# Altium PCB Acquisition-System_V1.0.PcbDoc (part 1 of 5) (continued)
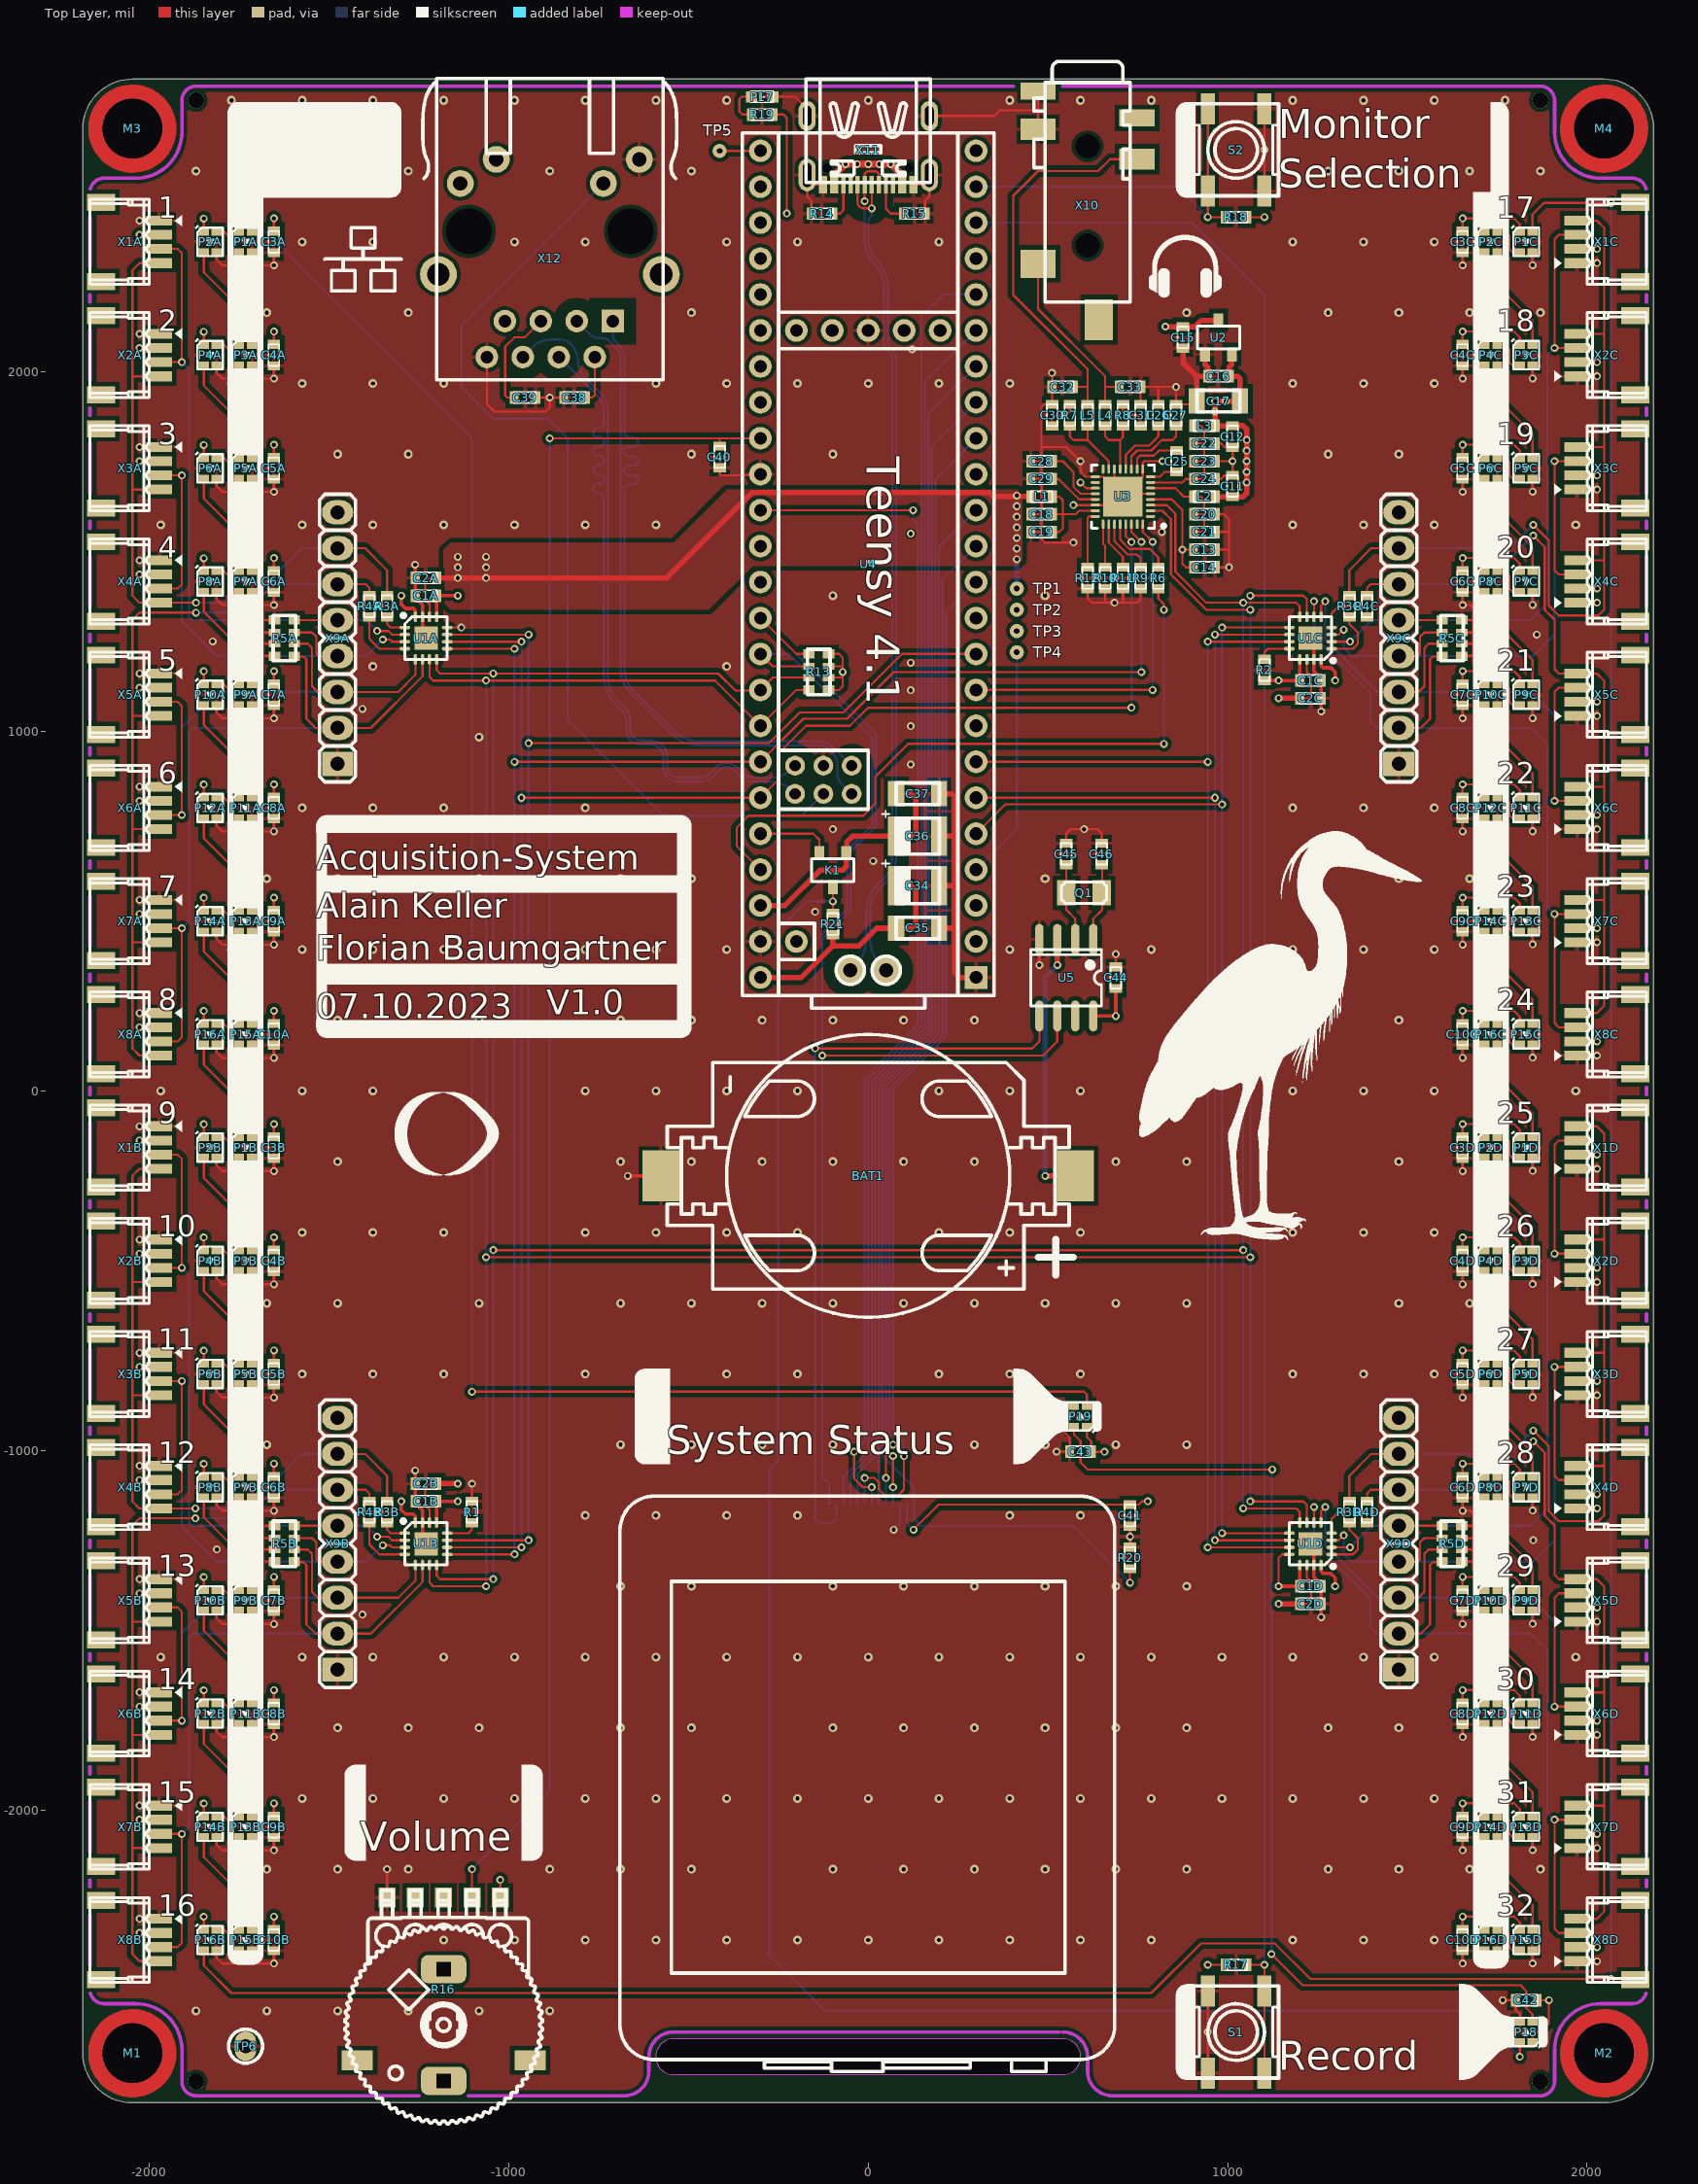
[diagram p0: Top Layer view]
## Components (designator, comment, footprint, x,y, rotation, side; value= is the part's Value field where it differs from the comment) (continued)
R7 "22" "SMD Widerstand 0603" 561.02,1879.92 r90 top
R8 "22" "SMD Widerstand 0603" 708.66,1879.92 r90 top
R9 "10k" "SMD Widerstand 0603" 757.87,1427.17 r90 top
R10 "10k" "SMD Widerstand 0603" 659.45,1427.17 r90 top
R11 "10k" "SMD Widerstand 0603" 708.66,1427.17 r90 top
R12 "10k" "SMD Widerstand 0603" 610.24,1427.17 r90 top
R13 "10k" "SMD Widerstand Array 4-Fach 0603"#1 -137.8,1165.75 r90 top
R14 "5.1k" "SMD Widerstand 0603" -127.95,2440.94 r180 top
R15 "5.1k" "SMD Widerstand 0603" 127.95,2440.94 r0 top
R16 "10k" "SMD Potentiometer (RK10J11R0A0H)" -1181.1,-2598.43 r180 top locked
R17 "10k" "SMD Widerstand 0603" 1023.62,-2431.1 r180 top
R18 "10k" "SMD Widerstand 0603" 1023.62,2431.1 r0 top
R19 "270" "SMD Widerstand 0603" -295.28,2716.54 r180 top
R20 "10k" "SMD Widerstand 0603" 728.35,-1299.21 r270 top
R21 "10k" "SMD Widerstand 0603" -98.43,464.57 r270 top
S1 "SMD-Button" "SMD Button 6.5x6.0x2.5" 1023.62,-2618.11 r90 top
S2 "SMD-Button" "SMD Button 6.5x6.0x2.5" 1023.62,2618.11 r270 top
TP1 "X-TP" "THT Testpunkt Ø1mm" 413.39,1397.64 r0 top
TP2 "X-TP" "THT Testpunkt Ø1mm" 413.39,1338.58 r90 top
TP3 "X-TP" "THT Testpunkt Ø1mm" 413.39,1279.53 r0 top
TP4 "X-TP" "THT Testpunkt Ø1mm" 413.39,1220.47 r90 top
TP5 "X-TP" "THT Testpunkt Ø1mm" -413.39,2615.16 r90 top
TP6 "Schwarz" "THT Messpunkt Ø2.54mm Schwarz" -1732.28,-2657.48 r90 top
U1A "ADAU7118" "SMD IC QFN-16" -1230.31,1259.84 r0 top (schematic designator U1)
U1B "ADAU7118" "SMD IC QFN-16" -1230.31,-1259.84 r0 top (schematic designator U1)
U1C "ADAU7118" "SMD IC QFN-16" 1230.32,1259.84 r180 top (schematic designator U1)
U1D "ADAU7118" "SMD IC QFN-16" 1230.32,-1259.84 r180 top (schematic designator U1)
U2 "MCP1700T-1802" "SMD IC SOT-23-3" 974.41,2096.46 r90 top
U3 "WM8904" "SMD IC QFN-32 (0.4mm)" 708.66,1653.54 r180 top
U4 "Teensy 4.1" "THT TEENSY 4.1" 0,265.75 r180 top locked
U5 "PCF8523T" "SMD IC SOIC-8" 551.18,314.96 r0 top
X1A "1.0-4PWB" "SMD Connector (SM04B-SRSS-TB)" -2165.35,2362.2 r270 top (schematic designator X1)
X1B "1.0-4PWB" "SMD Connector (SM04B-SRSS-TB)" -2165.35,-157.48 r270 top (schematic designator X1)
X1C "1.0-4PWB" "SMD Connector (SM04B-SRSS-TB)" 2165.35,2362.2 r90 top (schematic designator X1)
X1D "1.0-4PWB" "SMD Connector (SM04B-SRSS-TB)" 2165.35,-157.48 r90 top (schematic designator X1)
X2A "1.0-4PWB" "SMD Connector (SM04B-SRSS-TB)" -2165.35,2047.24 r270 top (schematic designator X2)
X2B "1.0-4PWB" "SMD Connector (SM04B-SRSS-TB)" -2165.35,-472.44 r270 top (schematic designator X2)
X2C "1.0-4PWB" "SMD Connector (SM04B-SRSS-TB)" 2165.35,2047.24 r90 top (schematic designator X2)
X2D "1.0-4PWB" "SMD Connector (SM04B-SRSS-TB)" 2165.35,-472.44 r90 top (schematic designator X2)
X3A "1.0-4PWB" "SMD Connector (SM04B-SRSS-TB)" -2165.35,1732.28 r270 top (schematic designator X3)
X3B "1.0-4PWB" "SMD Connector (SM04B-SRSS-TB)" -2165.35,-787.4 r270 top (schematic designator X3)
X3C "1.0-4PWB" "SMD Connector (SM04B-SRSS-TB)" 2165.35,1732.28 r90 top (schematic designator X3)
X3D "1.0-4PWB" "SMD Connector (SM04B-SRSS-TB)" 2165.35,-787.4 r90 top (schematic designator X3)
X4A "1.0-4PWB" "SMD Connector (SM04B-SRSS-TB)" -2165.35,1417.32 r270 top (schematic designator X4)
X4B "1.0-4PWB" "SMD Connector (SM04B-SRSS-TB)" -2165.35,-1102.36 r270 top (schematic designator X4)
X4C "1.0-4PWB" "SMD Connector (SM04B-SRSS-TB)" 2165.35,1417.32 r90 top (schematic designator X4)
X4D "1.0-4PWB" "SMD Connector (SM04B-SRSS-TB)" 2165.35,-1102.36 r90 top (schematic designator X4)
X5A "1.0-4PWB" "SMD Connector (SM04B-SRSS-TB)" -2165.35,1102.36 r270 top (schematic designator X5)
X5B "1.0-4PWB" "SMD Connector (SM04B-SRSS-TB)" -2165.35,-1417.32 r270 top (schematic designator X5)
X5C "1.0-4PWB" "SMD Connector (SM04B-SRSS-TB)" 2165.35,1102.36 r90 top (schematic designator X5)
X5D "1.0-4PWB" "SMD Connector (SM04B-SRSS-TB)" 2165.35,-1417.32 r90 top (schematic designator X5)
X6A "1.0-4PWB" "SMD Connector (SM04B-SRSS-TB)" -2165.35,787.4 r270 top (schematic designator X6)
X6B "1.0-4PWB" "SMD Connector (SM04B-SRSS-TB)" -2165.35,-1732.28 r270 top (schematic designator X6)
X6C "1.0-4PWB" "SMD Connector (SM04B-SRSS-TB)" 2165.35,787.4 r90 top (schematic designator X6)
X6D "1.0-4PWB" "SMD Connector (SM04B-SRSS-TB)" 2165.35,-1732.28 r90 top (schematic designator X6)
X7A "1.0-4PWB" "SMD Connector (SM04B-SRSS-TB)" -2165.35,472.44 r270 top (schematic designator X7)
X7B "1.0-4PWB" "SMD Connector (SM04B-SRSS-TB)" -2165.35,-2047.24 r270 top (schematic designator X7)
X7C "1.0-4PWB" "SMD Connector (SM04B-SRSS-TB)" 2165.35,472.44 r90 top (schematic designator X7)
X7D "1.0-4PWB" "SMD Connector (SM04B-SRSS-TB)" 2165.35,-2047.24 r90 top (schematic designator X7)
X8A "1.0-4PWB" "SMD Connector (SM04B-SRSS-TB)" -2165.35,157.48 r270 top (schematic designator X8)
X8B "1.0-4PWB" "SMD Connector (SM04B-SRSS-TB)" -2165.35,-2362.2 r270 top (schematic designator X8)
X8C "1.0-4PWB" "SMD Connector (SM04B-SRSS-TB)" 2165.35,157.48 r90 top (schematic designator X8)
X8D "1.0-4PWB" "SMD Connector (SM04B-SRSS-TB)" 2165.35,-2362.2 r90 top (schematic designator X8)
X9A "NP" "THT Pin-Header 1x8 (NP)" -1476.38,1259.84 r90 top (schematic designator X9)
X9B "NP" "THT Pin-Header 1x8 (NP)" -1476.38,-1259.84 r90 top (schematic designator X9)
X9C "NP" "THT Pin-Header 1x8 (NP)" 1476.38,1259.84 r90 top (schematic designator X9)
X9D "NP" "THT Pin-Header 1x8 (NP)" 1476.38,-1259.84 r90 top (schematic designator X9)
X10 "PJ-328B0-SMT" "SMD 3.5mm Jack (PJ-328B0-SMT)" 610.24,2805.12 r270 top locked
X11 "USB 2.0 Typ-C" "SMD USB-C Socket (A40-00119)" 0,2814.96 r180 top locked
X12 "J1B1211CCD" "THT RJ45 Socket (J1B1211CCD)" -885.83,2391.73 r180 top locked
X13 "FFC2B35-14-T" "SMD Display 1.54\" (STP0154F-240240)" 0,-1909.45 r0 top locked

## Footprints (in the part's own frame and the unit in brackets; to place one, negate y for a bottom-side part, rotate by r counter-clockwise, add the part's x,y. Pads: shape width x height; smd on the part's side, far side on the other; paste and mask are expansions set on the pad)
"SMD 3.5mm Jack (PJ-328B0-SMT)" [mm]
  rect 1.5x2.5 smd: 1(3.3,-3.5) 5(5.4,3.5)
  rect 2x2.5 smd: 2(12.8,-3.5)
  rect 2.9x2 smd: 3(16.75,0.8)
  rect 1.2x2.5 smd: 4(2.5,3.5) 6(0.6,-3.5)
  round 0 hole 1.7 unplated: NC(4.5,0) NC(11.5,0)
  silkscreen extent -1.5,-3.8 15.5,3, body extent -1.5,-4.5 18,4.5, height 5.08
"SMD Battery-Holder (1060TR)" [mm]
  rect 2.6x3.6 smd: 1(14.65,0) 2(-14.65,0)
  silkscreen extent -14.2,-10 14.5,10, body extent -15.91,-10 15.91,10, height 5.72
"SMD Button 6.5x6.0x2.5" [mm]
  rect 2.2x1 smd: 1(-2.9,-2) 1(2.9,-2) 2(-2.9,2) 2(2.9,2)
  silkscreen extent -3.25,-3 3.25,3, body extent -3.3,-3 3.3,3, height 2.5
"SMD Connector (SM04B-SRSS-TB)" [mm] "SMD_LED_RED"
  rect 0.7x1.8 smd: 1(-1.5,4.9) 2(-0.5,4.9) 3(0.5,4.9) 4(1.5,4.9)
  rect 1.2x2 smd: NC(-2.8,0.8) NC(2.8,0.8)
  silkscreen extent -3,0 3,6.5, body extent -3,0 3,4.95, height 2.96
"SMD Crystal 3.2x1.5x0.9" [mm] "SMD_LED_RED"
  rect 1.3x1.8 smd: 1(-1.25,0) 2(1.25,0)
  silkscreen extent -1.6,-0.75 1.6,0.75, body extent -1.61,-0.76 1.61,0.76, height 0.91
"SMD Display 1.54\" (STP0154F-240240)" [mm]
  rect 0.3x1.3 smd far side: 1(-3.25,19.3) 2(-2.75,19.3) 3(-2.25,19.3) 4(-1.75,19.3) 5(-1.25,19.3) 6(-0.75,19.3) 7(-0.25,19.3) 8(0.25,19.3) 9(0.75,19.3) 10(1.25,19.3) 11(1.75,19.3) 12(2.25,19.3) 13(2.75,19.3) 14(3.25,19.3)
  rect 1.8x2.2 smd far side: NC(-5.15,16.05) NC(5.15,16.05)
  Keep-Out Layer board cut-out: -13.75,-18.5 -14.237,-18.58 -14.651,-18.849 -14.92,-19.263 -15,-19.75 -15,-19.75 -14.913,-20.233 -14.643,-20.643 -14.233,-20.913 -13.75,-21 -13.75,-21 13.75,-21 14.236,-20.918 14.648,-20.648 14.918,-20.236 15,-19.75 15,-19.75 14.921,-19.262 14.651,-18.849 14.238,-18.579 13.75,-18.5 13.75,-18.5
  silkscreen extent -17.54,-20.8 17.42,19.87, body extent -17.54,-20.79 17.42,19.87, height 3.22
"SMD Ferrite Bead 0603" [mil]
  rect 25x35 smd: 1(-30,0) 2(30,0)
  silkscreen extent -30,-15 30,15, body extent -31,-16 31,16, height 33
"SMD IC QFN-16" [mm] "QFN, 48-Leads, Body 7x7mm, Pitch 0.5mm, IPC Medium Density"
  oval 0.75x0.25 smd: 1(-1.5,0.75) 2(-1.5,0.25) 3(-1.5,-0.25) 4(-1.5,-0.75) 9(1.5,-0.75) 10(1.5,-0.25) 11(1.5,0.25) 12(1.5,0.75)
  oval 0.25x0.75 smd: 5(-0.75,-1.5) 6(-0.25,-1.5) 7(0.25,-1.5) 8(0.75,-1.5) 13(0.75,1.5) 14(0.25,1.5) 15(-0.25,1.5) 16(-0.75,1.5)
  rect 1.65x1.65 smd: PAD(0,0)
  silkscreen extent -1.72,-1.5 1.5,1.72, body extent -1.52,-1.52 1.52,1.52, height 0.9
"SMD IC QFN-32 (0.4mm)" [mm] "QFN, 48-Leads, Body 7x7mm, Pitch 0.5mm, IPC Medium Density"
  oval 0.65x0.2 smd: 1(-1.95,1.4) 2(-1.95,1) 3(-1.95,0.6) 4(-1.95,0.2) 5(-1.95,-0.2) 6(-1.95,-0.6) 7(-1.95,-1) 8(-1.95,-1.4) 17(1.95,-1.4) 18(1.95,-1) 19(1.95,-0.6) 20(1.95,-0.2) 21(1.95,0.2) 22(1.95,0.6) 23(1.95,1) 24(1.95,1.4)
  oval 0.2x0.65 smd: 9(-1.4,-1.95) 10(-1,-1.95) 11(-0.6,-1.95) 12(-0.2,-1.95) 13(0.2,-1.95) 14(0.6,-1.95) 15(1,-1.95) 16(1.4,-1.95) 25(1.4,1.95) 26(1,1.95) 27(0.6,1.95) 28(0.2,1.95) 29(-0.2,1.95) 30(-0.6,1.95) 31(-1,1.95) 32(-1.4,1.95)
  rect 2.8x2.8 smd: PAD(0,0)
  silkscreen extent -3,-2.22 2.22,2.22, body extent -2.01,-2 2,2.01, height 0.98
"SMD IC SOIC-8" [mm]
  oval 0.6x2.2 smd: 1(1.905,2.7) 2(0.635,2.7) 3(-0.635,2.7) 4(-1.905,2.7) 5(-1.905,-2.7) 6(-0.635,-2.7) 7(0.635,-2.7) 8(1.905,-2.7)
  silkscreen extent -2.52,-2 2.48,2, body extent -2.52,-3.12 2.48,3.12, height 1.75
"SMD IC SOT-23-3" [mm]
  rect 1x0.7 smd: 1(-1.2,0.95) 2(-1.2,-0.95) 3(1.2,0)
  silkscreen extent -0.8,-1.5 0.8,1.5, body extent -1.3,-1.5 1.2,1.5, height 1.1
"SMD Keramikkondensator 0603" [mil]
  rect 25x35 smd: 1(-30,0) 2(30,0)
  silkscreen extent -30,-15 30,15, body extent -31,-16 32,16, height 32
"SMD Keramikkondensator 1206" [mil]
  rect 45x70 smd: 1(-60,0) 2(60,0)
  silkscreen extent -60,-30 60,30, body extent -63,-31 63,32, height 39
"SMD LED 0603" [mm] "SMD_LED_RED"
  rect 0.8x0.8 smd: A(-0.75,0) K(0.75,0)
  silkscreen extent -0.8,-0.4 0.8,0.4, body extent -0.81,-0.37 0.84,0.36, height 0.68
"SMD LED WS2812B-0807" [mm] "SMD_LED_RED"
  rect 0.6x0.7 smd: 1(0.75,0.45) 2(-0.75,0.45) 3(-0.75,-0.45) 4(0.75,-0.45)
  silkscreen extent -1,-0.9 1.1,1, body extent -1,-0.9 1,0.9, height 0.85
"SMD MOSFET SOT-23" [mm]
  rect 1x0.7 smd: D(1.2,0) G(-1.2,0.95) S(-1.2,-0.95)
  silkscreen extent -0.8,-1.5 0.8,1.5, body extent -1.3,-1.5 1.2,1.5, height 1.1
"SMD Potentiometer (RK10J11R0A0H)" [mm] "Capacitor, Electrolytic, Radial; Body 5 x 5 mm (Dia.xH typ); Pin Spacing 2 mm (typ)"
  rect 1.2x1.4 smd: CCW(-4,-9) CW(4,-9) M(-2,-9) NC(0,-9) NC(2,-9)
  rect 2.2x1.4 smd: NC(-6.1,2.5) NC(6.1,2.5)
  rrect50% 3.2x2 hole 1 square: NC(0,3.95) NC(0,-3.95)
  silkscreen extent -6.99,-9.5 6.99,6.99, body extent -7,-9.5 7,6.99, height 2.35
"SMD Solder-Nut (M3 3mm)" [mm]
  round 0 hole 4.22: 1(0,0)
  Top Layer circle w1.02: c0,0 r2.61
  body extent -2.61,-2.61 2.61,2.61, height 3
"SMD Tantalkondensator 1210 +" [mil]
  rect 45x110 smd: M(60,0) P(-60,0)
  silkscreen extent -99,-50 60,72, body extent -73,-58 73,58, height 80
"SMD USB-C Socket (A40-00119)" [mm]
  rect 0.6x1.25 smd: A1B12(-3.2,7.45) A4B9(-2.4,7.45) B1A12(3.2,7.45) B4A9(2.4,7.45)
  rect 0.3x1.25 smd: A5(-1.25,7.45) A6(-0.25,7.45) A7(0.25,7.45) A8(1.25,7.45) B5(1.75,7.45) B6(0.75,7.45) B7(-0.75,7.45) B8(-1.75,7.45)
  oval 1.2x2.1 hole 0.6 slot 1.4 at 90 deg: G1(-4.32,2.6) G3(4.32,2.6)
  oval 1.2x2.3 hole 0.6 slot 1.7 at 90 deg: G2(-4.32,6.78) G4(4.32,6.78)
  round 0 hole 0.65 unplated: NC(-2.89,6.28) NC(2.89,6.28)
  silkscreen extent -4.4,0 4.4,7.3, body extent -4.47,0 4.48,7.75, height 3.26
"SMD Widerstand 0603" [mil]
  rect 25x35 smd: 1(-30,0) 2(30,0)
  silkscreen extent -30,-15 30,15, body extent -31,-16 31,16, height 18
"SMD Widerstand Array 4-Fach 0603"#1 [mm]
  rect 0.65x0.8 smd: 1(-1.275,-0.7) 4(1.275,-0.7) 5(1.275,0.7) 8(-1.275,0.7)
  rect 0.5x0.8 smd: 2(-0.4,-0.7) 3(0.4,-0.7) 6(0.4,0.7) 7(-0.4,0.7)
  silkscreen extent -1.6,-0.8 1.6,0.8, body extent -1.6,-0.8 1.6,0.8, height 0.51
"SMD Widerstand Array 4-Fach 0603"#2 [mm]
  rect 0.65x0.8 smd: 1(-1.275,0.7) 4(1.275,0.7) 5(1.275,-0.7) 8(-1.275,-0.7)
  rect 0.5x0.8 smd: 2(-0.4,0.7) 3(0.4,0.7) 6(0.4,-0.7) 7(-0.4,-0.7)
  silkscreen extent -1.6,-0.8 1.6,0.8, body extent -1.6,-0.8 1.6,0.8, height 0.51
"THT Messpunkt Ø2.54mm Schwarz" [mm]
  oval 2.1x1.5 hole 1: 1(0,0)
  silkscreen extent -1.2,-1.2 1.2,1.2, body extent -1.27,-1.27 1.27,1.27, height 4.57
"THT Pin-Header 1x8 (NP)" [mm]
  rect 1.7x2.2 hole 1: 1(-8.89,0)
  oval 1.7x2.2 hole 1: 2(-6.35,0) 3(-3.81,0) 4(-1.27,0) 5(1.27,0) 6(3.81,0) 7(6.35,0) 8(8.89,0)
  silkscreen extent -10.16,-1.27 10.16,1.27
"THT RJ45 Socket (J1B1211CCD)" [mm]
  rect 1.6x1.6 hole 0.9: 1(-4.445,6.35)
  round 1.6 hole 0.9: 2(-3.175,8.89) 3(-1.905,6.35) 4(-0.635,8.89) 5(0.635,6.35) 6(1.905,8.89) 7(3.175,6.35) 8(4.445,8.89)
  round 1.9 hole 1.02: 9(-6.325,-5.08) 10(-3.785,-3.38) 11(3.785,-5.08) 12(6.325,-3.38)
  round 2.6 hole 1.6: NC(-7.875,3.05) NC(7.875,3.05)
  round 0 hole 3.25 unplated: NC(-5.715,0) NC(5.715,0)
  silkscreen extent -8.98,-10.8 8.98,10.5, body extent -9.01,-10.78 9.01,10.52, height 14.38
"THT TEENSY 4.1" [mm]
  rect 1.6x1.6 hole 0.9: 1(-7.62,-1.27)
  round 1.6 hole 0.9: 2(-7.62,-3.81) 3(-7.62,-6.35) 4(-7.62,-8.89) 5(-7.62,-11.43) 6(-7.62,-13.97) 7(-7.62,-16.51) 8(-7.62,-19.05) 9(-7.62,-21.59) 10(-7.62,-24.13) 11(-7.62,-26.67) 12(-7.62,-29.21) 13(-7.62,-31.75) 14(-7.62,-34.29) 15(-7.62,-36.83) 16(-7.62,-39.37) 17(-7.62,-41.91) 18(-7.62,-44.45) 19(-7.62,-46.99) 20(-7.62,-49.53) 21(-7.62,-52.07) 22(-7.62,-54.61) 23(-7.62,-57.15) 24(-7.62,-59.69) 25(7.62,-59.69) 26(7.62,-57.15) 27(7.62,-54.61) 28(7.62,-52.07) 29(7.62,-49.53) 30(7.62,-46.99) 31(7.62,-44.45) 32(7.62,-41.91) 33(7.62,-39.37) 34(7.62,-36.83) 35(7.62,-34.29) 36(7.62,-31.75) 37(7.62,-29.21) 38(7.62,-26.67) 39(7.62,-24.13) 40(7.62,-21.59) 41(7.62,-19.05) 42(7.62,-16.51) 43(7.62,-13.97) 44(7.62,-11.43) 45(7.62,-8.89) 46(7.62,-6.35) 47(7.62,-3.81) 48(7.62,-1.27) 49(5.08,-3.81) 50(-5.08,-46.99) 51(-2.54,-46.99) 52(0,-46.99) 53(2.54,-46.99) 54(5.08,-46.99)
  round 1.4 hole 0.8: 55(1.17,-16.24) 56(1.17,-14.24) 57(3.17,-16.24) 58(3.17,-14.24) 59(5.17,-16.24) 60(5.17,-14.24)
  round 2.1 hole 1: 61(-1.27,-1.78) 62(1.27,-1.78)
  silkscreen extent -8.9,-60.96 8.89,0.9, body extent -8.89,-64.75 8.89,0.93, height 14.97
"THT Testpunkt Ø1mm" [mm]
  round 1 hole 0.4: 1(0,0)

## Part data
BAT1: library part X-CR2032-Battery-Holder, "Battery Holder (CR2032)", JLC-Parts=C964756, Component Description="Battery Holder (CR2032)", Component Value=1060TR, ComponentLink1Description=Datasheet, ComponentLink1URL=https://datasheet.lcsc.com/lcsc/2012181808_MYOUNG-BS-06-B4AA002_C964756.pdf, Digikey=36-1060CT-ND, Farnell=2533470, Mouser=534-1060TR, Unit Price=0.25
C1A C1B C1C C1D C2A C2B C2C C2D C3A C3B C3C C3D C4A C4B C4C C4D C5A C5B C5C C5D C6A C6B C6C C6D C7A C7B C7C C7D C8A C8B C8C C8D C9A C9B C9C C9D C10A C10B C10C C10D C13 C15 C16 C19 C21 C23 C30 C31 C38 C39 C44: library part "E6 - 100nF", "SMD Ceramic Capacitor E6", Component Value="100nF 50V", JLC-Parts=C14663, Component Description="Multilayer Ceramic Capacitors MLCC", ComponentLink1Description=Datasheet, ComponentLink1URL=https://datasheet.lcsc.com/lcsc/1809301912_YAGEO-CC0603KRX7R9BB104_C14663.pdf, Digikey=445-6899-1-ND, Farnell=2210822, Mouser=810-CGA2B3X7R1H104K, Unit Price=0.01
C11 C12 C14 C20 C22 C26 C27 C28 C29: library part C-CAPACITOR, "CAP-MK", Component Value="4.7µF 16V", JLC-Parts=C19666, Component Description="Multilayer Ceramic Capacitors", Digikey=1276-1784-1-ND, Farnell=3013397, Mouser=187-CL10A475KO8NNNC, Unit Price=0.01
C17 C35 C37: library part "E6 - 10uF", "SMD Ceramic Capacitor E6", Component Value="10µF 50V", JLC-Parts=C13585, Component Description="Multilayer Ceramic Capacitors MLCC", ComponentLink1Description=Datasheet, ComponentLink1URL=https://datasheet.lcsc.com/lcsc/1810191219_Samsung-Electro-Mechanics-CL10A106KP8NNNC_C19702.pdf, Digikey=587-3258-1-ND, Farnell=2113070, Mouser=963-LMK107BBJ106MALT, Unit Price=0.01
C18 C25: library part C-CAPACITOR, "CAP-MK", Component Value="2.2µF 16V", JLC-Parts=C23630, Component Description="Multilayer Ceramic Capacitors", Digikey=1276-1040-1-ND, Farnell=3013392, Mouser=187-CL10A225KO8NNNC, Unit Price=0.01
C24: library part C-CAPACITOR, "CAP-MK", Component Value="1nF 50V", JLC-Parts=C1588, Component Description="Multilayer Ceramic Capacitors", Digikey=445-5659-1-ND, Farnell=2435473, Mouser=810-CGA3E2X7R1H102K, Unit Price=0.01
C32 C33: library part C-CAPACITOR, "CAP-MK", Component Value="470pF 50V", JLC-Parts=C107092, Component Description="Multilayer Ceramic Capacitors", Digikey=399-C0603C471J5GAC7867CT-ND, Farnell=1414640, Mouser=80-C0603C471J5G, Unit Price=0.01
C34 C36: library part C-ELCAP, "CAP-Elko", Component Value="100µF 6.3V", JLC-Parts=C16133, Component Description="Tantalum Capacitor", Digikey=478-1677-1-ND, Farnell=1135048, Mouser=581-TAJB107K006R, Unit Price=0.08
C40: library part C-CAPACITOR, "CAP-MK", Component Value="10nF 50V", JLC-Parts=C57112, Component Description="Multilayer Ceramic Capacitors", Digikey=445-5662-1-ND, Farnell=2346966, Mouser=77-VJ0603V103ZXAPBC, Unit Price=0.01
C41 C42 C43: library part C-CAPACITOR, "CAP-MK", Component Value="1µF 50V", JLC-Parts=C15849, Component Description="Multilayer Ceramic Capacitors", Digikey=1276-1860-1-ND, Farnell=3013383, Mouser=187-CL10A105KB8NNNC, Unit Price=0.01
C45 C46: library part C-CAPACITOR, "CAP-MK", Component Value="10pF 50V", JLC-Parts=C1634, Component Description="Multilayer Ceramic Capacitors", Digikey=399-C0603C100J5GAC7867CT-ND, Farnell=1414601, Mouser=80-C0603C100J5G, Unit Price=0.01
K1: library part K-FET:NIGE, "MOSFET N-Channel", JLC-Parts=C8545, Component Description="MOSFET N-Channel", Component Value=2N7002, ComponentLink1Description=Datasheet, ComponentLink1URL=https://datasheet.lcsc.com/lcsc/1810151612_Jiangsu-Changjing-Electronics-Technology-Co---Ltd--2N7002_C8545.pdf, Digikey=2N7002NCT-ND, Farnell=1713823, Mouser=512-2N7002, Unit Price=0.02
L1 L2 L3 L4 L5: library part "R-COIL (HF)", "COIL (Spule alt L)", Component Value="GZ2012D601TF (5 Ohm@100MHz, 700mA)", JLC-Parts=C307759, Component Description="Ferrite Bead", ComponentLink1Description=Datasheet, ComponentLink1URL=https://datasheet.lcsc.com/lcsc/2304140030_TDK-MMZ1608D050CTA00_C307759.pdf, Digikey=445-MMZ1608D050CTA00CT-ND, Farnell=3650622, Mouser=810-MMZ1608D050CTA00, Unit Price=0.01
M1 M2 M3 M4: library part M-Spacer_M3_3mm, "Solderable Standoff Nut", Component Value="M3 3mm", JLC-Parts=C2915308, Component Description="Solderable Standoff Nut", ComponentLink1Description=Datasheet, ComponentLink1URL=https://datasheet.lcsc.com/lcsc/2112061830_Sinhoo-SMTSO3030CTJ_C2915308.pdf, Mouser=153-SMTSO-M3-3ET, Unit Price=0.05
P1A P1B P1C P1D P2A P2B P2C P2D P3A P3B P3C P3D P4A P4B P4C P4D P5A P5B P5C P5D P6A P6B P6C P6D P7A P7B P7C P7D P8A P8B P8C P8D P9A P9B P9C P9D P10A P10B P10C P10D P11A P11B P11C P11D P12A P12B P12C P12D P13A P13B P13C P13D P14A P14B P14C P14D P15A P15B P15C P15D P16A P16B P16C P16D P18 P19: library part P-WS2812B-0807, "Smart RGB-LED", Component Value=XL-0807RGBC-WS2812B, JLC-Parts=C3646929, aliExpress=1005003999865721, Component Description="Smart RGB-LED", ComponentLink1Description=Datasheet, ComponentLink1URL=https://datasheet.lcsc.com/lcsc/2108251530_OPSCO-Optoelectronics-SK6812D-EC3210R_C2890041.pdf, Unit Price=0.07
P17: library part "LED Green 0603", "General Purpose LED", Component Value="Green (5mA, 2.4V)", JLC-Parts=C72043, Component Description="General Purpose LED", ComponentLink1Description=Datasheet, ComponentLink1URL=https://datasheet.lcsc.com/szlcsc/Everlight-Elec-19-217-GHC-YR1S2-3T_C72043.pdf, Digikey=350-2035-1-ND, Farnell=1465991, Mouser=645-598-8070-107F, Unit Price=0.34
Q1: library part Q-Crystal, Component Value=32.768kHz, JLC-Parts=C32346, Component Description=Crystal, ComponentLink1Description=Datasheet, ComponentLink1URL=https://datasheet.lcsc.com/lcsc/1810171817_Seiko-Epson-Q13FC1350000400_C32346.pdf, Digikey=SER4103CT-ND, Mouser=732-532.7680KA-A5, Unit Price=0.18
R1 R2: library part R-RESISTOR, "RES (E=Heizwiderstand B=Messwandler)", Component Value="47k (75V, 100mW, 1%)", JLC-Parts=C25819, Component Description="Thick Film Chip Resistor", Digikey=P47.0KHCT-ND, Farnell=2303213, Mouser=667-ERJ-3EKF4702V, Unit Price=0.01
R3A R3B R3C R3D R4A R4B R4C R4D: library part R-RESISTOR, "RES (E=Heizwiderstand B=Messwandler)", Component Value="10 (75V, 100mW, 1%)", JLC-Parts=C22859, Component Description="Thick Film Chip Resistor", Digikey=P10.0HCT-ND, Farnell=2302958, Mouser=667-ERJ-3EKF10R0V, Unit Price=0.01
R5A R5B R5C R5D R13: library part "R-Array Single Quad E24 - 10k", "Isolated Resistor Array", Component Value="10k (4x, 50V, 62.5mW, 5%)", JLC-Parts=C29718, Component Description="Isolated Resistor Array", ComponentLink1Description=Datasheet, ComponentLink1URL=https://datasheet.lcsc.com/lcsc/1810191515_UNI-ROYAL-Uniroyal-Elec-4D03WGJ0103T5E_C29718.pdf, Digikey=Y4103CT-ND, Farnell=2060167, Mouser=667-EXB-V8V103JV, Unit Price=0.01
R6 R7 R8: library part R-RESISTOR, "RES (E=Heizwiderstand B=Messwandler)", Component Value="22 (75V, 100mW, 1%)", JLC-Parts=C23345, Component Description="Thick Film Chip Resistor", Digikey=P22.0HCT-ND, Farnell=2302996, Mouser=667-ERJ-3EKF22R0V, Unit Price=0.01
R9 R10 R11 R12 R17 R18 R20 R21: library part R-RESISTOR, "RES (E=Heizwiderstand B=Messwandler)", Component Value="10k (75V, 100mW, 1%)", JLC-Parts=C25804, Component Description="Thick Film Chip Resistor", Digikey=P10.0KHCT-ND, Farnell=2303192, Mouser=667-ERJ-3EKF1002V, Unit Price=0.01
R14 R15: library part R-RESISTOR, "RES (E=Heizwiderstand B=Messwandler)", Component Value="5.1k (75V, 100mW, 1%)", JLC-Parts=C23186, Component Description="Thick Film Chip Resistor", Digikey=P5.10KHCT-ND, Farnell=2059378, Mouser=667-ERJ-3EKF5101V, Unit Price=0.01
R16: library part R-RES:VAR, "RES-VAR", Component Value="RK10J11R0A0H (Dual 10k)", JLC-Parts=C470766, Component Description=Potentiometer, ComponentLink1Description=Datasheet, ComponentLink1URL=https://docs.rs-online.com/6334/A700000006802142.pdf, Mouser=688-RK10J11R0A0H, Unit Price=0.60
R19: library part R-RESISTOR, "SMD-Widerstand 1/4W", Component Value="270 (75V, 100mW, 1%)", JLC-Parts=C22966, Component Description="Thick Film Chip Resistor", Digikey=P270HCT-ND, Farnell=2303096, Mouser=667-ERJ-3EKF2700V, Unit Price=0.06
S1 S2: library part "Button 3mmx2.5mm", "Button SPST", Component Value=EVQQ2U02W, JLC-Parts=C395227, Component Description="Tactile Switch", ComponentLink1Description=Datasheet, ComponentLink1URL=https://datasheet.lcsc.com/lcsc/1912111437_PANASONIC-EVQQ2U02W_C395227.pdf, Digikey=P12954SCT-ND, Farnell=2860932, Mouser=667-EVQ-Q2U02W, Unit Price=0.19
TP1 TP2 TP3 TP4 TP5: "Testpunkt", Component Value="Ø 0.8mm", Component Description=Testpunkt, Unit Price=0.00
TP6: library part X-MP, "Messpunkt", Component Value="Ø 2.54mm (Black)", JLC-Parts=C238122, Component Description=Ground-Clip, Digikey=36-5001-ND, Farnell=2301278, Mouser=534-5001, Unit Price=0.36
U1A U1B U1C U1D: library part U-ADAU7118, "8-Channel PDM to I²S/TDM Converter", Component Value=ADAU7118ACPZRL, JLC-Parts=C654437, Component Description="8-Channel PDM to I²S/TDM Converter", ComponentLink1Description=Datasheet, ComponentLink1URL=https://www.analog.com/media/en/technical-documentation/data-sheets/ADAU7118.pdf, Digikey=505-ADAU7118ACPZRLCT-ND, Farnell=4033291, Mouser=584-ADAU7118ACPZRL, Unit Price=6.20
U2: library part T-MCP1700T-1.8, "Voltage Regulator", Component Value="MCP1700T-1802E (1.8V, 200mA)", JLC-Parts=C150796, Component Description="Linear Voltage Regulator", ComponentLink2Description=Datasheet, ComponentLink2URL=https://datasheet.lcsc.com/lcsc/2304140030_Microchip-Tech-MCP1700T-1802E-TT_C150796.pdf, Digikey=MCP1700T1802ETTCT-ND, Farnell=1296591, Mouser=579-MCP1700T1802E/TT, Unit Price=0.37
U3: library part U-WM8904, "Low-Power Audio Codec with Headphones Driver", Component Value=WM8904CGEFL, JLC-Parts=C323845, Component Description="Low-Power Audio Codec with Headphones Driver", ComponentLink1Description=Datasheet, ComponentLink1URL=https://statics.cirrus.com/pubs/proDatasheet/WM8904_Rev4.0.pdf, Digikey=598-2437-1-ND, Mouser=238-WM8904CGEFL/RV, Unit Price=1.37
U4: library part U-Teensy-4.1, "RT1062 i.MX ARM® Cortex®-M7 MPU", Component Description="RT1062 i.MX ARM® Cortex®-M7 MPU", Component Value="Teensy 4.1", ComponentLink1Description=Datasheet, ComponentLink1URL=https://mm.digikey.com/Volume0/opasdata/d220001/medias/docus/497/DEV-16771_Web.pdf, Digikey=1568-DEV-16771-ND, Mouser=474-DEV-16771, Unit Price=28.70
U5: library part U-PCF8523T, "Real-Time Clock (RTC) and Calendar", Component Value=PCF8523T/1,118, JLC-Parts=C2651516, Component Description="Real-Time Clock (RTC) and Calendar", ComponentLink1Description=Datasheet, ComponentLink1URL=https://www.nxp.com/docs/en/data-sheet/PCF8523.pdf, Digikey=568-5306-1-ND, Farnell=2400452, Mouser=771-PCF8523T/1118, Unit Price=1.35
X1A X1B X1C X1D X2A X2B X2C X2D X3A X3B X3C X3D X4A X4B X4C X4D X5A X5B X5C X5D X6A X6B X6C X6D X7A X7B X7C X7D X8A X8B X8C X8D: library part "X-Stiftleiste (4-Fach)", "Wire To Board Connector (1x4P 1.0mm)", JLC-Parts=C2905006, Component Description="Wire To Board Connector (1x4P 1.0mm)", Component Value=1.0-4PWB, Digikey=455-SM04B-SRSS-TBCT-ND, Farnell=1830839, Unit Price=0.03
X9A X9B X9C X9D: library part "X-Stiftleiste (8-Fach)", Component Value="8-Pin (2.54mm)", Component Description="Pin Header"
X10: library part X-PJ-328B0-SMT, "3.5mm Headphone Jack 4-Pin", JLC-Parts=C437035, Component Description="3.5mm Headphone Jack 4-Pin", Component Value=PJ-328B0-SMT, ComponentLink1Description=Datasheet, ComponentLink1URL=https://datasheet.lcsc.com/lcsc/2002271917_XKB-Connectivity-PJ-328B0-SMT_C437035.pdf, Digikey=CP-43514SJCT-ND, Mouser=490-SJ-43514-SMT-TR, Unit Price=0.23
X11: library part X-USB-Buchse, "Typ-C", Component Value=USB4105-GF-A, JLC-Parts=C167321, aliExpress=33045191307, Component Description="USB Connector Type-C", ComponentLink1Description=Datasheet, ComponentLink1URL=https://datasheet.lcsc.com/lcsc/2103051833_Jing-Extension-of-the-Electronic-Co--918-418K2023S40001_C167321.pdf, Digikey=2073-USB4105-GF-ACT-ND, Farnell=3583366, Unit Price=0.34
X12: library part X-J1B1211CCD, "RJ45 Connector with Magnetics and LEDs", JLC-Parts=C910371, Component Description="RJ45 Connector with Magnetics and LEDs", Component Value=J1B1211CCD, ComponentLink2Description=Datasheet, ComponentLink2URL=https://datasheet.lcsc.com/lcsc/2011180207_WIZNET-J1B1211CCD_C910371.pdf, Digikey=1278-1052-ND, Mouser=950-J1B1211CCD, Unit Price=1.85
X13: library part "X-FPC-Connector (14-Pin)", "FPC-Connector (14-Pin, Front Flip,  Bottom Contact)", JLC-Parts=C262663, Component Description="FPC-Connector (14-Pin, Front Flip,  Bottom Contact)", Component Value=FFC2B35-14-T, ComponentLink2Description=Datasheet, ComponentLink2URL=https://gct.co/files/drawings/ffc2b35.pdf, Digikey=2073-FFC2B35-14-TDKR-ND, Farnell=3933420, Mouser=640-FFC2B35-14-T, Unit Price=0.09

## Free pads (board coordinates)
  round 45.35 hole 45.35 unplated paste+45.35 mask+5.83: NC(-1870.08,-2755.91) NC(-1870.08,2755.91) NC(1870.08,-2755.91) NC(1870.08,2755.91)

## Via types
v1: diameter 21.65, hole 11.81, Top Layer to Bottom Layer, tented both sides, 388 vias
v2: diameter 24.41, hole 11.81, Top Layer to Bottom Layer, tented both sides, 289 vias